# KiCad board LI_ION_charger_5Vout.kicad_pcb (continued)
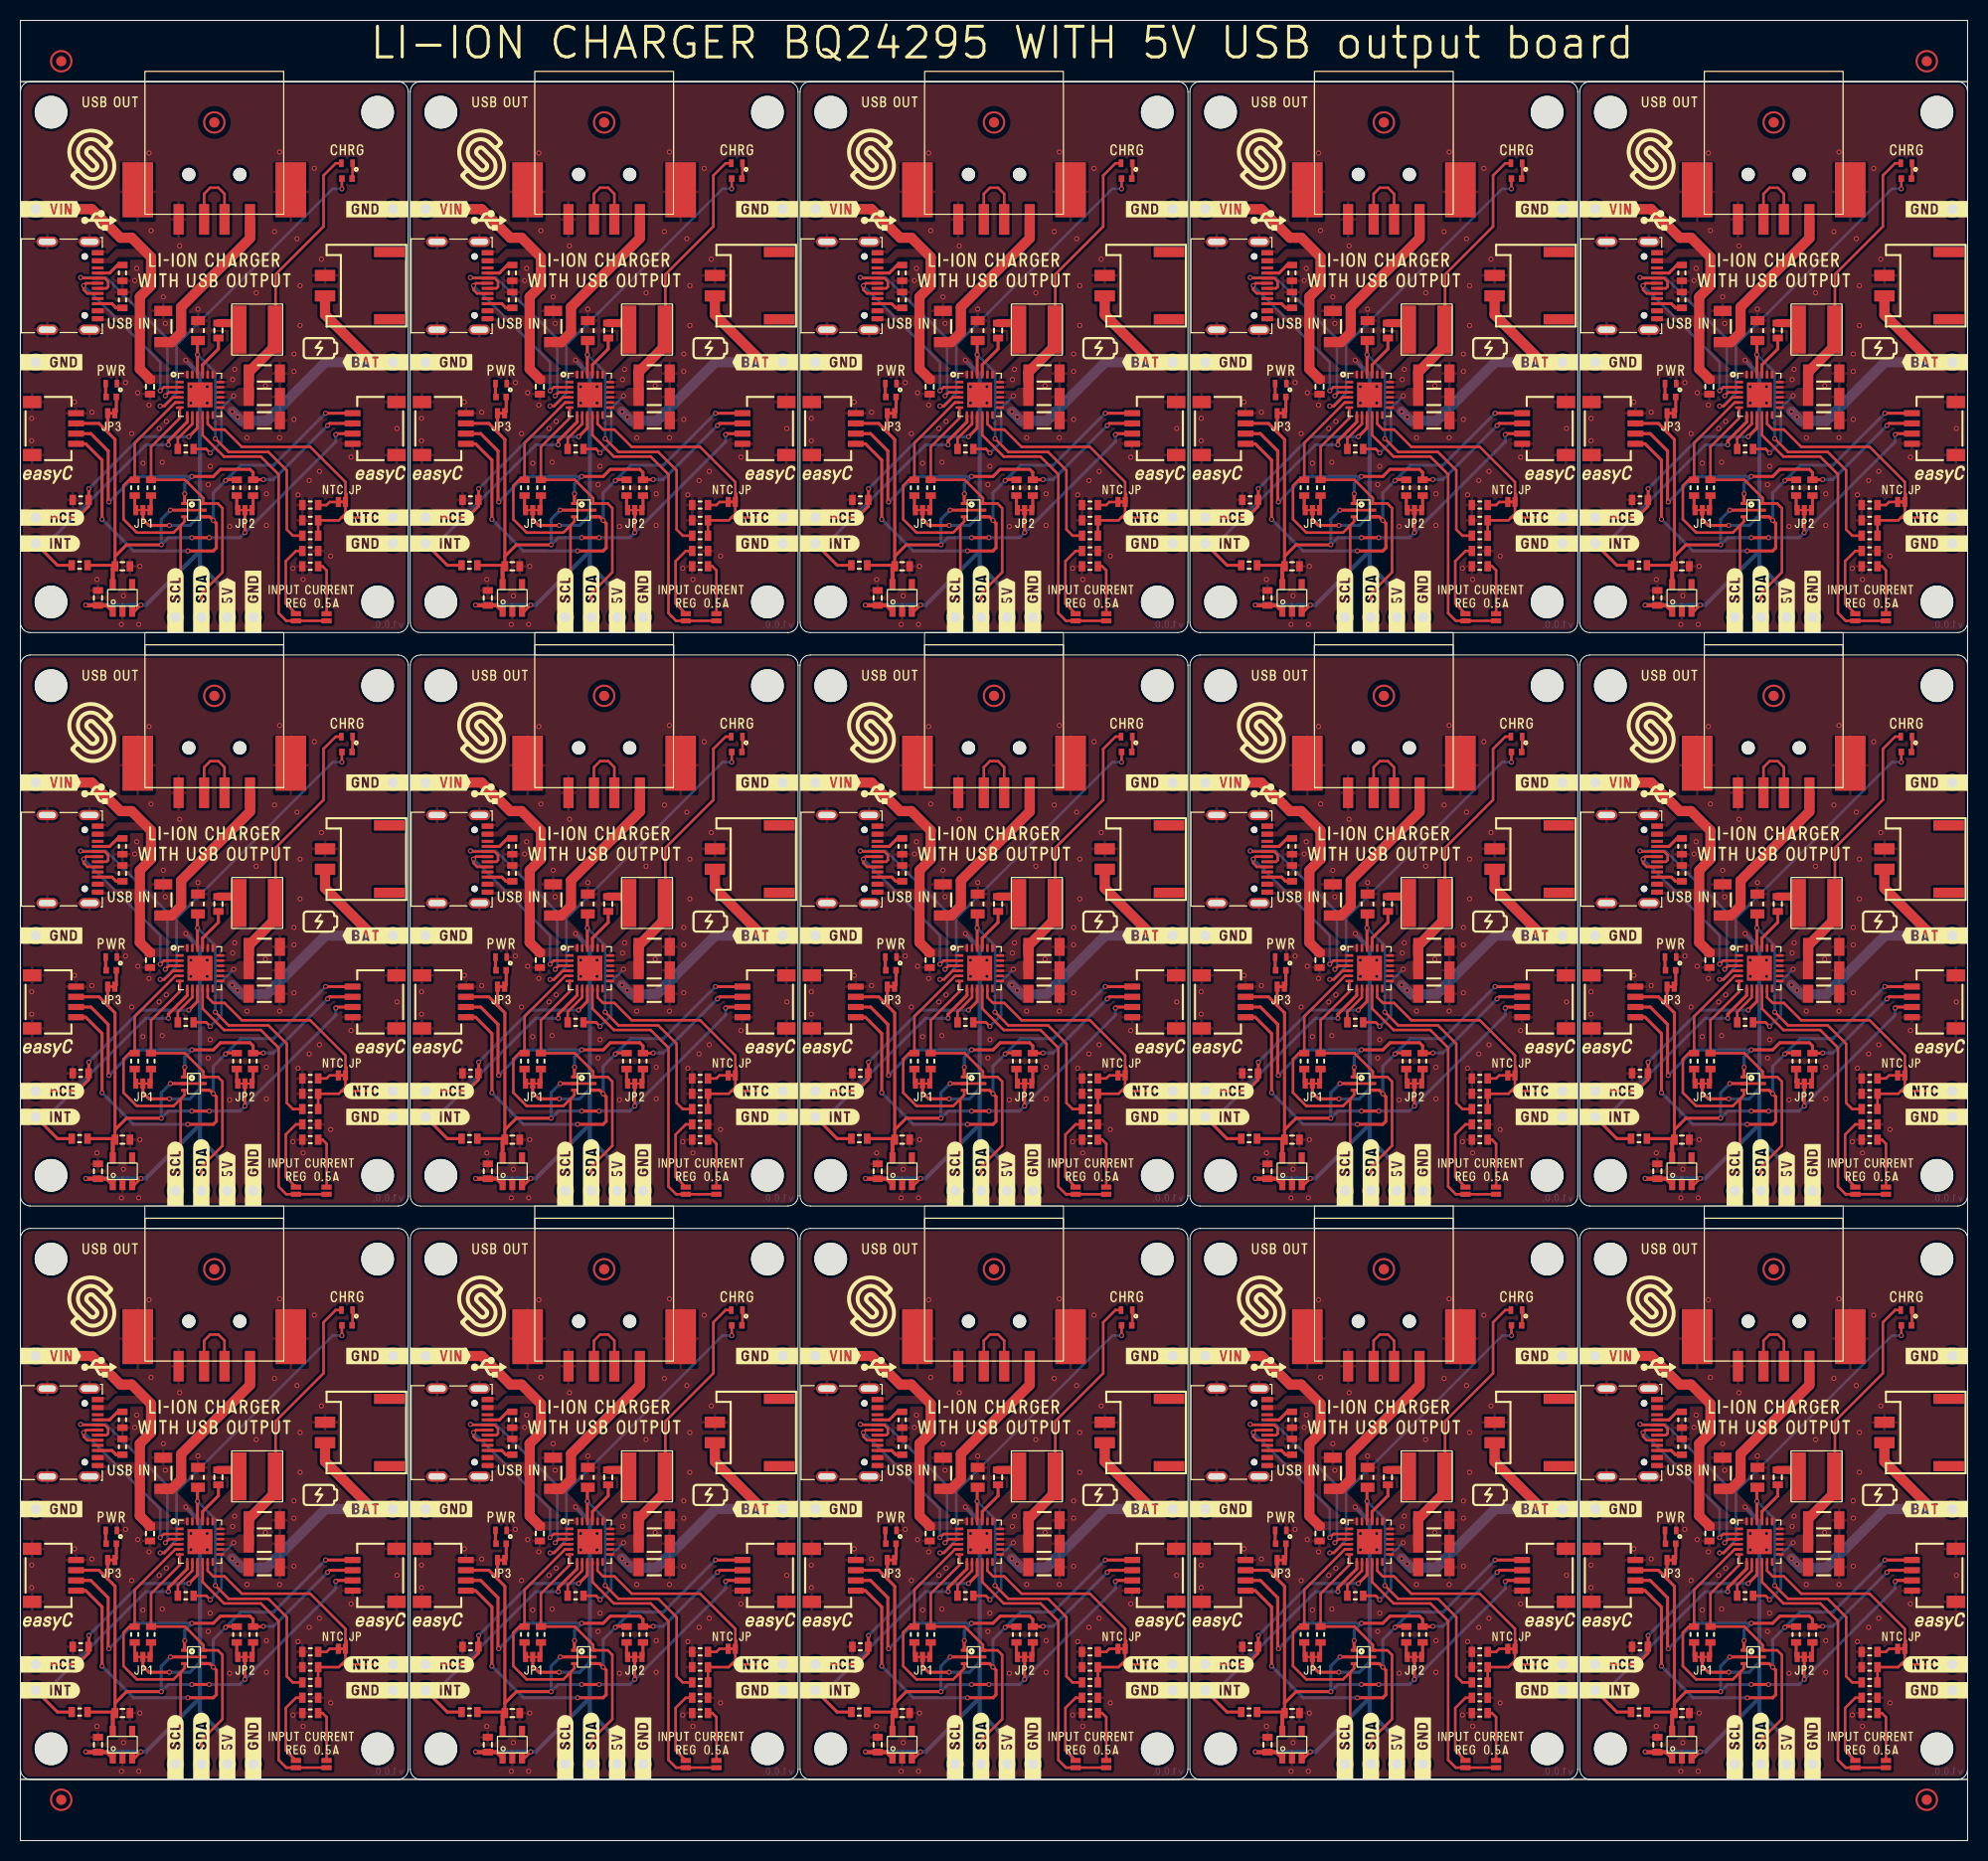
[diagram p0: board, top side]
## Placement (name value [footprint] x y rotation side) (continued)
NOREF#330  -  [buzzardLabel]  143.1 122.6 0 top
NOREF#331  -  [buzzardLabel]  104.9 10.2 0 top
NOREF#332  -  [buzzardLabel]  114.8 159.9 0 top
NOREF#333  -  [buzzardLabel]  76.6 129.67 0 top
NOREF#334  -  [buzzardLabel]  -0.4 47.5 0 top
NOREF#335  -  [buzzardLabel]  76 88.7 0 top
NOREF#336  -  [buzzardLabel]  146.1 132.4 0 top
NOREF#337  -  [buzzardLabel]  146.6 53.3 0 top
NOREF#338  -  [buzzardLabel]  161.7 82.4 0 top
NOREF#339  -  [buzzardLabel]  38.4 103.7 0 top
NOREF#340  -  [buzzardLabel]  76.6 103.7 0 top
NOREF#341  -  [buzzardLabel]  114.2 159.9 0 top
NOREF#342  -  [buzzardLabel]  57.2 42.5 0 top
NOREF#343  -  [buzzardLabel]  191.2 17.27 0 top
NOREF#344  -  [buzzardLabel]  123.5 82.4 0 top
NOREF#345  -  [buzzardLabel]  57.2 98.7 0 top
NOREF#346  -  [buzzardLabel]  153 14.73 0 top
NOREF#347  -  [buzzardLabel]  161.7 138.6 0 top
NOREF#348  -  [buzzardLabel]  38.4 70.93 0 top
NOREF#349  -  [buzzardLabel]  76 17.27 0 top
NOREF#350  -  [buzzardLabel]  37.8 73.47 0 top
NOREF#351  -  [buzzardLabel]  -0.4 127.13 0 top
NOREF#352  -  [buzzardLabel]  76 103.7 0 top
NOREF#353  -  [buzzardLabel]  191.2 159.9 0 top
NOREF#354  -  [buzzardLabel]  170.53 5.6 90 top
NOREF#355  -  [buzzardLabel]  134.87 5.6 90 top
NOREF#356  -  [buzzardLabel]  132.33 118 90 top
NOREF#357  -  [buzzardLabel]  15.19 61.8 90 top
NOREF#358  -  [buzzardLabel]  146.1 76.2 0 top
NOREF#359  -  [buzzardLabel]  76.6 88.7 0 top
NOREF#360  -  [buzzardLabel]  50.2 16.7 0 top
NOREF#361  -  [buzzardLabel]  125.2 148.7 0 top
NOREF#362  -  [buzzardLabel]  19 42.5 0 top
NOREF#363  -  [buzzardLabel]  181.3 10.2 0 top
NOREF#364  -  [buzzardLabel]  191.2 73.47 0 top
NOREF#365  -  [buzzardLabel]  126.6 129.1 0 top
NOREF#366  -  [buzzardLabel]  87 36.3 0 top
NOREF#367  -  [buzzardLabel]  191.2 129.67 0 top
NOREF#368  -  [buzzardLabel]  161.7 31.7 0 top
NOREF#369  -  [buzzardLabel]  37.8 103.7 0 top
NOREF#370  -  [buzzardLabel]  114.8 14.73 0 top
NOREF#371  -  [buzzardLabel]  22 72.9 0 top
NOREF#372  -  [buzzardLabel]  8.8 170.4 0 top
NOREF#373  -  [buzzardLabel]  53.39 118 90 top
NOREF#374  -  [buzzardLabel]  66.7 10.2 0 top
NOREF#375  -  [buzzardLabel]  152.4 127.13 0 top
NOREF#376  -  [buzzardLabel]  169.2 11.5 180 bottom
NOREF#377  -  [buzzardLabel]  131 123.9 180 bottom
NOREF#378  -  [buzzardLabel]  92.8 123.9 180 bottom
NOREF#379  -  [buzzardLabel]  54.6 11.5 180 bottom
NOREF#380  -  [buzzardLabel]  131 67.7 180 bottom
NOREF#381  -  [buzzardLabel]  54.6 67.7 180 bottom
NOREF#382  -  [buzzardLabel]  54.6 123.9 180 bottom
NOREF#383  -  [buzzardLabel]  16.4 67.7 180 bottom
NOREF#384  -  [buzzardLabel]  169.2 123.9 180 bottom
NOREF#385  -  [buzzardLabel]  16.4 123.9 180 bottom
NOREF#386  -  [buzzardLabel]  16.4 11.5 180 bottom
NOREF#387  -  [buzzardLabel]  169.2 67.7 180 bottom
NOREF#388  -  [buzzardLabel]  92.8 67.7 180 bottom
NOREF#389  -  [buzzardLabel]  131 11.5 180 bottom
NOREF#390  -  [buzzardLabel]  92.8 11.5 180 bottom
R1  5.1k  [0603R]  104.8 71.7 0 top
R1#2  5.1k  [0603R]  104.8 15.5 0 top
R1#3  5.1k  [0603R]  28.4 71.7 0 top
R1#4  5.1k  [0603R]  66.6 15.5 0 top
R1#5  5.1k  [0603R]  104.8 127.9 0 top
R1#6  5.1k  [0603R]  66.6 71.7 0 top
R1#7  5.1k  [0603R]  181.2 71.7 0 top
R1#8  5.1k  [0603R]  143 127.9 0 top
R1#9  5.1k  [0603R]  181.2 127.9 0 top
R1#10  5.1k  [0603R]  66.6 127.9 0 top
R1#11  5.1k  [0603R]  143 71.7 0 top
R1#12  5.1k  [0603R]  28.4 15.5 0 top
R1#13  5.1k  [0603R]  181.2 15.5 0 top
R1#14  5.1k  [0603R]  143 15.5 0 top
R1#15  5.1k  [0603R]  28.4 127.9 0 top
R2  10k  [0603R]  22.8 132.6 90 top
R2#2  10k  [0603R]  99.2 20.2 90 top
R2#3  10k  [0603R]  22.8 76.4 90 top
R2#4  10k  [0603R]  137.4 76.4 90 top
R2#5  10k  [0603R]  175.6 20.2 90 top
R2#6  10k  [0603R]  137.4 20.2 90 top
R2#7  10k  [0603R]  99.2 76.4 90 top
R2#8  10k  [0603R]  61 20.2 90 top
R2#9  10k  [0603R]  61 132.6 90 top
R2#10  10k  [0603R]  137.4 132.6 90 top
R2#11  10k  [0603R]  99.2 132.6 90 top
R2#12  10k  [0603R]  175.6 132.6 90 top
R2#13  10k  [0603R]  175.6 76.4 90 top
R2#14  10k  [0603R]  22.8 20.2 90 top
R2#15  10k  [0603R]  61 76.4 90 top
R3  10k  [0603R]  125.8 132.6 90 top
R3#2  10k  [0603R]  87.6 76.4 90 top
R3#3  10k  [0603R]  11.2 20.2 90 top
R3#4  10k  [0603R]  49.4 132.6 90 top
R3#5  10k  [0603R]  125.8 20.2 90 top
R3#6  10k  [0603R]  11.2 76.4 90 top
R3#7  10k  [0603R]  11.2 132.6 90 top
R3#8  10k  [0603R]  49.4 20.2 90 top
R3#9  10k  [0603R]  164 132.6 90 top
R3#10  10k  [0603R]  87.6 20.2 90 top
R3#11  10k  [0603R]  164 76.4 90 top
R3#12  10k  [0603R]  49.4 76.4 90 top
R3#13  10k  [0603R]  87.6 132.6 90 top
R3#14  10k  [0603R]  164 20.2 90 top
R3#15  10k  [0603R]  125.8 76.4 90 top
R4  33k  [0603R]  181.2 17 180 top
R4#2  33k  [0603R]  66.6 17 180 top
R4#3  33k  [0603R]  28.4 129.4 180 top
R4#4  33k  [0603R]  66.6 129.4 180 top
R4#5  33k  [0603R]  143 129.4 180 top
R4#6  33k  [0603R]  143 17 180 top
R4#7  33k  [0603R]  104.8 73.2 180 top
R4#8  33k  [0603R]  143 73.2 180 top
R4#9  33k  [0603R]  181.2 129.4 180 top
R4#10  33k  [0603R]  181.2 73.2 180 top
R4#11  33k  [0603R]  28.4 73.2 180 top
R4#12  33k  [0603R]  66.6 73.2 180 top
R4#13  33k  [0603R]  104.8 129.4 180 top
R4#14  33k  [0603R]  28.4 17 180 top
R4#15  33k  [0603R]  104.8 17 180 top
R5  10k  [0603R]  104.8 18.5 180 top
R5#2  10k  [0603R]  143 130.9 180 top
R5#3  10k  [0603R]  66.6 18.5 180 top
R5#4  10k  [0603R]  181.2 74.7 180 top
R5#5  10k  [0603R]  104.8 74.7 180 top
R5#6  10k  [0603R]  66.6 74.7 180 top
R5#7  10k  [0603R]  66.6 130.9 180 top
R5#8  10k  [0603R]  181.2 18.5 180 top
R5#9  10k  [0603R]  28.4 130.9 180 top
R5#10  10k  [0603R]  28.4 18.5 180 top
R5#11  10k  [0603R]  104.8 130.9 180 top
R5#12  10k  [0603R]  143 74.7 180 top
R5#13  10k  [0603R]  28.4 74.7 180 top
R5#14  10k  [0603R]  143 18.5 180 top
R5#15  10k  [0603R]  181.2 130.9 180 top
R6  10k  [0603R]  89.2 20.2 270 top
R6#2  10k  [0603R]  127.4 132.6 270 top
R6#3  10k  [0603R]  127.4 76.4 270 top
R6#4  10k  [0603R]  51 132.6 270 top
R6#5  10k  [0603R]  12.8 20.2 270 top
R6#6  10k  [0603R]  51 76.4 270 top
R6#7  10k  [0603R]  89.2 76.4 270 top
R6#8  10k  [0603R]  12.8 76.4 270 top
R6#9  10k  [0603R]  51 20.2 270 top
R6#10  10k  [0603R]  89.2 132.6 270 top
R6#11  10k  [0603R]  165.6 20.2 270 top
R6#12  10k  [0603R]  12.8 132.6 270 top
R6#13  10k  [0603R]  165.6 132.6 270 top
R6#14  10k  [0603R]  127.4 20.2 270 top
R6#15  10k  [0603R]  165.6 76.4 270 top
R7  10k  [0603R]  174 132.6 270 top
R7#2  10k  [0603R]  21.2 132.6 270 top
R7#3  10k  [0603R]  59.4 76.4 270 top
R7#4  10k  [0603R]  135.8 20.2 270 top
R7#5  10k  [0603R]  97.6 132.6 270 top
R7#6  10k  [0603R]  59.4 132.6 270 top
R7#7  10k  [0603R]  21.2 76.4 270 top
R7#8  10k  [0603R]  97.6 76.4 270 top
R7#9  10k  [0603R]  59.4 20.2 270 top
R7#10  10k  [0603R]  174 76.4 270 top
R7#11  10k  [0603R]  97.6 20.2 270 top
R7#12  10k  [0603R]  135.8 132.6 270 top
R7#13  10k  [0603R]  174 20.2 270 top
R7#14  10k  [0603R]  21.2 20.2 270 top
R7#15  10k  [0603R]  135.8 76.4 270 top
R8  10k  [0603R]  5.9 131.4 180 top
R8#2  10k  [0603R]  120.5 19 180 top
R8#3  10k  [0603R]  158.7 75.2 180 top
R8#4  10k  [0603R]  120.5 131.4 180 top
R8#5  10k  [0603R]  44.1 19 180 top
R8#6  10k  [0603R]  82.3 19 180 top
R8#7  10k  [0603R]  82.3 75.2 180 top
R8#8  10k  [0603R]  82.3 131.4 180 top
R8#9  10k  [0603R]  5.9 19 180 top
R8#10  10k  [0603R]  120.5 75.2 180 top
R8#11  10k  [0603R]  44.1 75.2 180 top
R8#12  10k  [0603R]  158.7 131.4 180 top
R8#13  10k  [0603R]  158.7 19 180 top
R8#14  10k  [0603R]  44.1 131.4 180 top
R8#15  10k  [0603R]  5.9 75.2 180 top
R9  10k  [0603R]  82.2 68.8 180 top
R9#2  10k  [0603R]  120.4 12.6 180 top
R9#3  10k  [0603R]  5.8 68.8 180 top
R9#4  10k  [0603R]  44 68.8 180 top
R9#5  10k  [0603R]  158.6 68.8 180 top
R9#6  10k  [0603R]  82.2 125 180 top
R9#7  10k  [0603R]  5.8 12.6 180 top
R9#8  10k  [0603R]  158.6 125 180 top
R9#9  10k  [0603R]  120.4 68.8 180 top
R9#10  10k  [0603R]  44 12.6 180 top
R9#11  10k  [0603R]  44 125 180 top
R9#12  10k  [0603R]  120.4 125 180 top
R9#13  10k  [0603R]  5.8 125 180 top
R9#14  10k  [0603R]  82.2 12.6 180 top
R9#15  10k  [0603R]  158.6 12.6 180 top
R10  10k  [0603R]  54.4 136.4 180 top
R10#2  10k  [0603R]  54.4 80.2 180 top
R10#3  10k  [0603R]  92.6 136.4 180 top
R10#4  10k  [0603R]  130.8 136.4 180 top
R10#5  10k  [0603R]  16.2 80.2 180 top
R10#6  10k  [0603R]  169 80.2 180 top
R10#7  10k  [0603R]  16.2 24 180 top
R10#8  10k  [0603R]  16.2 136.4 180 top
R10#9  10k  [0603R]  92.6 80.2 180 top
R10#10  10k  [0603R]  54.4 24 180 top
R10#11  10k  [0603R]  92.6 24 180 top
R10#12  10k  [0603R]  130.8 24 180 top
R10#13  10k  [0603R]  130.8 80.2 180 top
R10#14  10k  [0603R]  169 136.4 180 top
R10#15  10k  [0603R]  169 24 180 top
R11  2k2  [0402R]  146.6 162.9 180 top
R11#2  2k2  [0402R]  108.4 50.5 180 top
R11#3  2k2  [0402R]  32 106.7 180 top
R11#4  2k2  [0402R]  32 50.5 180 top
R11#5  2k2  [0402R]  70.2 106.7 180 top
R11#6  2k2  [0402R]  184.8 162.9 180 top
R11#7  2k2  [0402R]  32 162.9 180 top
R11#8  2k2  [0402R]  146.6 106.7 180 top
R11#9  2k2  [0402R]  108.4 162.9 180 top
R11#10  2k2  [0402R]  184.8 106.7 180 top
R11#11  2k2  [0402R]  108.4 106.7 180 top
R11#12  2k2  [0402R]  146.6 50.5 180 top
R11#13  2k2  [0402R]  70.2 50.5 180 top
R11#14  2k2  [0402R]  70.2 162.9 180 top
R11#15  2k2  [0402R]  184.8 50.5 180 top
R12  5.1k  [0603R]  124.6 94.8 90 top
R12#2  5.1k  [0603R]  10 38.6 90 top
R12#3  5.1k  [0603R]  162.8 151 90 top
R12#4  5.1k  [0603R]  162.8 94.8 90 top
R12#5  5.1k  [0603R]  10 151 90 top
R12#6  5.1k  [0603R]  10 94.8 90 top
R12#7  5.1k  [0603R]  124.6 151 90 top
R12#8  5.1k  [0603R]  86.4 151 90 top
R12#9  5.1k  [0603R]  162.8 38.6 90 top
R12#10  5.1k  [0603R]  48.2 94.8 90 top
R12#11  5.1k  [0603R]  86.4 94.8 90 top
R12#12  5.1k  [0603R]  48.2 38.6 90 top
R12#13  5.1k  [0603R]  48.2 151 90 top
R12#14  5.1k  [0603R]  86.4 38.6 90 top
R12#15  5.1k  [0603R]  124.6 38.6 90 top
R13  150R  [0603R]  181.2 14 0 top
R13#2  150R  [0603R]  181.2 126.4 0 top
R13#3  150R  [0603R]  104.8 14 0 top
R13#4  150R  [0603R]  28.4 70.2 0 top
R13#5  150R  [0603R]  143 70.2 0 top
R13#6  150R  [0603R]  181.2 70.2 0 top
R13#7  150R  [0603R]  143 14 0 top
R13#8  150R  [0603R]  66.6 14 0 top
R13#9  150R  [0603R]  104.8 70.2 0 top
R13#10  150R  [0603R]  66.6 126.4 0 top
R13#11  150R  [0603R]  66.6 70.2 0 top
R13#12  150R  [0603R]  28.4 14 0 top
R13#13  150R  [0603R]  143 126.4 0 top
R13#14  150R  [0603R]  104.8 126.4 0 top
R13#15  150R  [0603R]  28.4 126.4 0 top
R14  5.1k  [0603R]  10 41.25 270 top
R14#2  5.1k  [0603R]  86.4 41.25 270 top
R14#3  5.1k  [0603R]  124.6 153.65 270 top
R14#4  5.1k  [0603R]  10 153.65 270 top
R14#5  5.1k  [0603R]  162.8 97.45 270 top
R14#6  5.1k  [0603R]  124.6 97.45 270 top
R14#7  5.1k  [0603R]  48.2 41.25 270 top
R14#8  5.1k  [0603R]  48.2 153.65 270 top
R14#9  5.1k  [0603R]  48.2 97.45 270 top
R14#10  5.1k  [0603R]  86.4 97.45 270 top
R14#11  5.1k  [0603R]  10 97.45 270 top
R14#12  5.1k  [0603R]  162.8 41.25 270 top
R14#13  5.1k  [0603R]  86.4 153.65 270 top
R14#14  5.1k  [0603R]  162.8 153.65 270 top
R14#15  5.1k  [0603R]  124.6 41.25 270 top
R15  1k  [0603R]  28.4 124.9 180 top
R15#2  1k  [0603R]  28.4 12.5 180 top
R15#3  1k  [0603R]  181.2 124.9 180 top
R15#4  1k  [0603R]  181.2 12.5 180 top
R15#5  1k  [0603R]  104.8 124.9 180 top
R15#6  1k  [0603R]  143 12.5 180 top
R15#7  1k  [0603R]  143 124.9 180 top
R15#8  1k  [0603R]  104.8 12.5 180 top
R15#9  1k  [0603R]  28.4 68.7 180 top
R15#10  1k  [0603R]  104.8 68.7 180 top
R15#11  1k  [0603R]  66.6 12.5 180 top
R15#12  1k  [0603R]  66.6 124.9 180 top
R15#13  1k  [0603R]  143 68.7 180 top
R15#14  1k  [0603R]  181.2 68.7 180 top
R15#15  1k  [0603R]  66.6 68.7 180 top
R16  2k2  [0402R]  47.1 141.5 180 top
R16#2  2k2  [0402R]  123.5 85.3 180 top
R16#3  2k2  [0402R]  123.5 29.1 180 top
R16#4  2k2  [0402R]  85.3 29.1 180 top
R16#5  2k2  [0402R]  47.1 85.3 180 top
R16#6  2k2  [0402R]  85.3 85.3 180 top
R16#7  2k2  [0402R]  47.1 29.1 180 top
R16#8  2k2  [0402R]  123.5 141.5 180 top
R16#9  2k2  [0402R]  161.7 85.3 180 top
R16#10  2k2  [0402R]  8.9 141.5 180 top
R16#11  2k2  [0402R]  8.9 85.3 180 top
R16#12  2k2  [0402R]  161.7 29.1 180 top
R16#13  2k2  [0402R]  8.9 29.1 180 top
R16#14  2k2  [0402R]  85.3 141.5 180 top
R16#15  2k2  [0402R]  161.7 141.5 180 top
REF**  Logo-Front-SolderedFULL-20mm  [Logo-Back-SolderedFULL-20mm]  133.6 168.4 0 top
Ref**  Val**  [Version1.0.0.]  74.2 6.8 180 bottom
REF**#2  Logo-Front-SolderedFULL-20mm  [Logo-Back-SolderedFULL-20mm]  19 168.4 0 top
Ref**#2  Val**  [Version1.0.0.]  188.8 6.8 180 bottom
REF**#3  Logo-Front-SolderedFULL-20mm  [Logo-Back-SolderedFULL-20mm]  19 112.2 0 top
Ref**#3  Val**  [Version1.0.0.]  112.4 119.2 180 bottom
REF**#4  Logo-Front-SolderedFULL-20mm  [Logo-Back-SolderedFULL-20mm]  57.2 168.4 0 top
Ref**#4  Val**  [Version1.0.0.]  74.2 119.2 180 bottom
REF**#5  Logo-Front-SolderedFULL-20mm  [Logo-Back-SolderedFULL-20mm]  95.4 112.2 0 top
Ref**#5  Val**  [Version1.0.0.]  150.6 119.2 180 bottom
REF**#6  Logo-Front-SolderedFULL-20mm  [Logo-Back-SolderedFULL-20mm]  57.2 56 0 top
Ref**#6  Val**  [Version1.0.0.]  112.4 6.8 180 bottom
REF**#7  Logo-Front-SolderedFULL-20mm  [Logo-Back-SolderedFULL-20mm]  171.8 112.2 0 top
Ref**#7  Val**  [Version1.0.0.]  188.8 63 180 bottom
REF**#8  Logo-Front-SolderedFULL-20mm  [Logo-Back-SolderedFULL-20mm]  171.8 56 0 top
Ref**#8  Val**  [Version1.0.0.]  150.6 63 180 bottom
REF**#9  Logo-Front-SolderedFULL-20mm  [Logo-Back-SolderedFULL-20mm]  19 56 0 top
Ref**#9  Val**  [Version1.0.0.]  36 63 180 bottom
REF**#10  Logo-Front-SolderedFULL-20mm  [Logo-Back-SolderedFULL-20mm]  95.4 56 0 top
Ref**#10  Val**  [Version1.0.0.]  36 6.8 180 bottom
REF**#11  Logo-Front-SolderedFULL-20mm  [Logo-Back-SolderedFULL-20mm]  133.6 56 0 top
Ref**#11  Val**  [Version1.0.0.]  188.8 119.2 180 bottom
REF**#12  Logo-Front-SolderedFULL-20mm  [Logo-Back-SolderedFULL-20mm]  171.8 168.4 0 top
Ref**#12  Val**  [Version1.0.0.]  112.4 63 180 bottom
REF**#13  Logo-Front-SolderedFULL-20mm  [Logo-Back-SolderedFULL-20mm]  57.2 112.2 0 top
Ref**#13  Val**  [Version1.0.0.]  36 119.2 180 bottom
REF**#14  Logo-Front-SolderedFULL-20mm  [Logo-Back-SolderedFULL-20mm]  95.4 168.4 0 top
Ref**#14  Val**  [Version1.0.0.]  74.2 63 180 bottom
REF**#15  Logo-Front-SolderedFULL-20mm  [Logo-Back-SolderedFULL-20mm]  133.6 112.2 0 top
Ref**#15  Val**  [Version1.0.0.]  150.6 6.8 180 bottom
REF**#16  -  [Symbol-Front-I2C-ADDR-Field]  95.4 11.5 180 bottom
REF**#17  -  [Symbol-Front-I2C-ADDR-Field]  19 67.7 180 bottom
REF**#18  -  [Symbol-Front-I2C-ADDR-Field]  133.6 123.9 180 bottom
REF**#19  -  [Symbol-Front-I2C-ADDR-Field]  95.4 67.7 180 bottom
REF**#20  -  [Symbol-Front-I2C-ADDR-Field]  57.2 123.9 180 bottom
REF**#21  -  [Symbol-Front-I2C-ADDR-Field]  171.8 123.9 180 bottom
REF**#22  -  [Symbol-Front-I2C-ADDR-Field]  19 123.9 180 bottom
REF**#23  -  [Symbol-Front-I2C-ADDR-Field]  95.4 123.9 180 bottom
REF**#24  -  [Symbol-Front-I2C-ADDR-Field]  171.8 67.7 180 bottom
REF**#25  -  [Symbol-Front-I2C-ADDR-Field]  57.2 67.7 180 bottom
REF**#26  -  [Symbol-Front-I2C-ADDR-Field]  57.2 11.5 180 bottom
REF**#27  -  [Symbol-Front-I2C-ADDR-Field]  19 11.5 180 bottom
REF**#28  -  [Symbol-Front-I2C-ADDR-Field]  133.6 67.7 180 bottom
REF**#29  -  [Symbol-Front-I2C-ADDR-Field]  171.8 11.5 180 bottom
REF**#30  -  [Symbol-Front-I2C-ADDR-Field]  133.6 11.5 180 bottom
U1  NMOS-DUAL  [SOT-363]  93.4 74.2 0 top
U1#2  NMOS-DUAL  [SOT-363]  17 18 0 top
U1#3  NMOS-DUAL  [SOT-363]  169.8 74.2 0 top
U1#4  NMOS-DUAL  [SOT-363]  131.6 18 0 top
U1#5  NMOS-DUAL  [SOT-363]  131.6 130.4 0 top
U1#6  NMOS-DUAL  [SOT-363]  93.4 130.4 0 top
U1#7  NMOS-DUAL  [SOT-363]  17 74.2 0 top
U1#8  NMOS-DUAL  [SOT-363]  17 130.4 0 top
U1#9  NMOS-DUAL  [SOT-363]  169.8 130.4 0 top
U1#10  NMOS-DUAL  [SOT-363]  55.2 130.4 0 top
U1#11  NMOS-DUAL  [SOT-363]  131.6 74.2 0 top
U1#12  NMOS-DUAL  [SOT-363]  55.2 74.2 0 top
U1#13  NMOS-DUAL  [SOT-363]  169.8 18 0 top
U1#14  NMOS-DUAL  [SOT-363]  93.4 18 0 top
U1#15  NMOS-DUAL  [SOT-363]  55.2 18 0 top
U2  BQ24295_RGET  [BQ24295RGET]  170.4 141.7 0 top
U2#2  BQ24295_RGET  [BQ24295RGET]  17.6 29.3 0 top
U2#3  BQ24295_RGET  [BQ24295RGET]  55.8 85.5 0 top
U2#4  BQ24295_RGET  [BQ24295RGET]  132.2 141.7 0 top
U2#5  BQ24295_RGET  [BQ24295RGET]  17.6 141.7 0 top
U2#6  BQ24295_RGET  [BQ24295RGET]  94 29.3 0 top
U2#7  BQ24295_RGET  [BQ24295RGET]  94 141.7 0 top
U2#8  BQ24295_RGET  [BQ24295RGET]  94 85.5 0 top
U2#9  BQ24295_RGET  [BQ24295RGET]  170.4 85.5 0 top
U2#10  BQ24295_RGET  [BQ24295RGET]  55.8 29.3 0 top
U2#11  BQ24295_RGET  [BQ24295RGET]  170.4 29.3 0 top
U2#12  BQ24295_RGET  [BQ24295RGET]  132.2 85.5 0 top
U2#13  BQ24295_RGET  [BQ24295RGET]  132.2 29.3 0 top
U2#14  BQ24295_RGET  [BQ24295RGET]  55.8 141.7 0 top
U2#15  BQ24295_RGET  [BQ24295RGET]  17.6 85.5 0 top
U3  SE5218  [SOT-23-5]  10 121.8 90 top
U3#2  SE5218  [SOT-23-5]  48.2 121.8 90 top
U3#3  SE5218  [SOT-23-5]  124.6 65.6 90 top
U3#4  SE5218  [SOT-23-5]  124.6 121.8 90 top
U3#5  SE5218  [SOT-23-5]  162.8 9.4 90 top
U3#6  SE5218  [SOT-23-5]  162.8 65.6 90 top
U3#7  SE5218  [SOT-23-5]  10 9.4 90 top
U3#8  SE5218  [SOT-23-5]  86.4 121.8 90 top
U3#9  SE5218  [SOT-23-5]  86.4 9.4 90 top
U3#10  SE5218  [SOT-23-5]  48.2 65.6 90 top
U3#11  SE5218  [SOT-23-5]  162.8 121.8 90 top
U3#12  SE5218  [SOT-23-5]  124.6 9.4 90 top
U3#13  SE5218  [SOT-23-5]  86.4 65.6 90 top
U3#14  SE5218  [SOT-23-5]  10 65.6 90 top
U3#15  SE5218  [SOT-23-5]  48.2 9.4 90 top

## Library data of the parts
D1 D1#2-D1#15 D2 D2#2-D2#15 = -: Package: 0402

## Footprints (pads in the part's own frame, mm; a bottom-side part is the same pattern mirrored in y, then rotated)
0402LED
  rect 0.45x0.75 smd: 1(-0.55,0) 2(0.55,0)
0402R
  rect 0.54x0.64 smd: 1(-0.5,0) 2(0.5,0)
0603C
  rect 0.66x1 smd: 1(-0.73,0) 2(0.73,0)
0603R
  rect 0.64x1 smd: 1(-0.775,0) 2(0.775,0)
0805C
  rect 0.9x1.35 smd: 1(-0.975,0) 2(0.975,0)
1206C
  rect 1x1.75 smd: 1(-1.525,0) 2(1.525,0)
BQ24295RGET
  rrect 0.66x0.66 smd: (-0.82,0.82) (-0.82,0) (-0.82,-0.82) (0,0.82) (0,-0.82) (0.82,0.82) (0.82,0) (0.82,-0.82)
  rect 2.45x2.45 smd: (0,0)
  rrect 0.775x0.25 smd: 1(-1.988,1.25) 2(-1.988,0.75) 3(-1.988,0.25) 4(-1.988,-0.25) 5(-1.988,-0.75) 6(-1.988,-1.25) 13(1.988,-1.25) 14(1.988,-0.75) 15(1.988,-0.25) 16(1.988,0.25) 17(1.988,0.75) 18(1.988,1.25)
  rrect 0.25x0.775 smd: 7(-1.25,-1.988) 8(-0.75,-1.988) 9(-0.25,-1.988) 10(0.25,-1.988) 11(0.75,-1.988) 12(1.25,-1.988) 19(1.25,1.988) 20(0.75,1.988) 21(0.25,1.988) 22(-0.25,1.988) 23(-0.75,1.988) 24(-1.25,1.988)
easyC-connector
  rect 0.6x1.55 smd: 1(-1.5,-2.15) 2(-0.5,-2.15) 3(0.5,-2.15) 4(1.5,-2.15)
  rect 1.2x1.8 smd: 5(-2.6,2.15) 5(2.6,2.15)
FIDUCIAL_23
  round 1 smd: 1(0,0)
HEADER_MALE_1X1
  round 1.7 hole 1: 1(0,0)
HEADER_MALE_2X1
  round 1.524 hole 1: 1(-1.27,0) 2(1.27,0)
HEADER_MALE_4X1
  round 1.7 hole 1: 1(-3.81,0) 2(-1.27,0) 3(1.27,0) 4(3.81,0)
HOLE_3.2mm
  round 3.2 hole 3.2 unplated: (0,0)
JST-2pin-SMD
  rect 1x3 smd: (-3.3,3.15) (3.3,3.15)
  rect 1.1x2 smd: 1(1,-3.15) 2(-1,-3.15)
SMD-JUMPER-CONNECTED_TRACE_SLODERMASK
  rect 0.5x1 smd: 1(-0.35,0) 2(0.35,0)
SMD_JUMPER
  rect 0.5x1 smd: 1(-0.35,0) 2(0.35,0)
SMD_JUMPER_3_PAD_TRACE
  rect 0.5x1 smd: 1(-0.7,0) 3(0.7,0)
  custom 0.5x1 smd: 2(0,0)
SMD_JUMPER_CONNECTED
  rect 0.5x1 smd: 1(-0.35,0) 2(0.35,0)
SOT-23-5
  rect 1.1x0.6 smd: 1(-1.3,0.95) 2(-1.3,0) 3(-1.3,-0.95) 4(1.3,-0.95) 5(1.3,0.95)
SOT-363
  rect 0.66x0.3 smd: 1(-0.92,0.65) 2(-0.92,0) 3(-0.92,-0.65) 4(0.92,-0.65) 5(0.92,0) 6(0.92,0.65)
SRN5020TA-2R2M
  rect 1.5x4.7 smd: 1(-1.8,0) 2(1.8,0)
U262-161N-4BVC11
  round 0.65 hole 0.65 unplated: (-2.862,1.2) (2.913,1.2)
  rect 0.3x1.15 smd: A1(-3.337,2.475) A4(-2.537,2.475) A5(-1.237,2.475) A6(-0.237,2.475) A7(0.263,2.475) A8(1.263,2.475) A9(2.563,2.475) A12(3.338,2.475) B1(3.138,2.475) B4(2.363,2.475) B5(1.763,2.475) B6(0.763,2.475) B7(-0.737,2.475) B8(-1.737,2.475) B9(-2.337,2.475) B12(-3.112,2.475)
  oval 1x2.1 hole 0.6x1.7: SH(-4.312,1.675) SH(-4.312,-2.475) SH(4.313,1.675) SH(4.313,-2.475)
USB_A_FEMALE_CONECTOR
  round 1.3 hole 1.3 unplated: (-2.5,-4.4) (2.5,-4.4)
  rect 1x3 smd: 1(-3.5,0) 2(-1,0) 3(1,0) 4(3.5,0)
  rect 3x5.4 smd: 5(-7.5,-2.9) 5(7.5,-2.9)

## Nets
3V3: C9.2 C9#2.2 C9#3.2 C9#4.2 C9#5.2 C9#6.2 C9#7.2 C9#8.2 C9#9.2 C9#10.2 C9#11.2 C9#12.2 C9#13.2 C9#14.2 C9#15.2 JP3.2 JP3#2.2 JP3#3.2 JP3#4.2 JP3#5.2 JP3#6.2 JP3#7.2 JP3#8.2 JP3#9.2 JP3#10.2 JP3#11.2 JP3#12.2 JP3#13.2 JP3#14.2 JP3#15.2 JP6.1 JP6#2.1 JP6#3.1 JP6#4.1 JP6#5.1 JP6#6.1 JP6#7.1 JP6#8.1 JP6#9.1 JP6#10.1 JP6#11.1 JP6#12.1 JP6#13.1 JP6#14.1 JP6#15.1 K5.3 K5#2.3 K5#3.3 K5#4.3 K5#5.3 K5#6.3 K5#7.3 K5#8.3 K5#9.3 K5#10.3 K5#11.3 K5#12.3 K5#13.3 K5#14.3 K5#15.3 K11.3 K11#2.3 K11#3.3 K11#4.3 K11#5.3 K11#6.3 K11#7.3 K11#8.3 K11#9.3 K11#10.3 K11#11.3 K11#12.3 K11#13.3 K11#14.3 K11#15.3 R9.1 R9#2.1 R9#3.1 R9#4.1 R9#5.1 R9#6.1 R9#7.1 R9#8.1 R9#9.1 R9#10.1 R9#11.1 R9#12.1 R9#13.1 R9#14.1 R9#15.1 U1.2 U1.5 U1#2.2 U1#2.5 U1#3.2 U1#3.5 U1#4.2 U1#4.5 U1#5.2 U1#5.5 U1#6.2 U1#6.5 U1#7.2 U1#7.5 U1#8.2 U1#8.5 U1#9.2 U1#9.5 U1#10.2 U1#10.5 U1#11.2 U1#11.5 U1#12.2 U1#12.5 U1#13.2 U1#13.5 U1#14.2 U1#14.5 U1#15.2 U1#15.5 U3.5 U3#2.5 U3#3.5 U3#4.5 U3#5.5 U3#6.5 U3#7.5 U3#8.5 U3#9.5 U3#10.5 U3#11.5 U3#12.5 U3#13.5 U3#14.5 U3#15.5
GND: C1.1 C1#2.1 C1#3.1 C1#4.1 C1#5.1 C1#6.1 C1#7.1 C1#8.1 C1#9.1 C1#10.1 C1#11.1 C1#12.1 C1#13.1 C1#14.1 C1#15.1 C2.1 C2#2.1 C2#3.1 C2#4.1 C2#5.1 C2#6.1 C2#7.1 C2#8.1 C2#9.1 C2#10.1 C2#11.1 C2#12.1 C2#13.1 C2#14.1 C2#15.1 C3.1 C3#2.1 C3#3.1 C3#4.1 C3#5.1 C3#6.1 C3#7.1 C3#8.1 C3#9.1 C3#10.1 C3#11.1 C3#12.1 C3#13.1 C3#14.1 C3#15.1 C5.1 C5#2.1 C5#3.1 C5#4.1 C5#5.1 C5#6.1 C5#7.1 C5#8.1 C5#9.1 C5#10.1 C5#11.1 C5#12.1 C5#13.1 C5#14.1 C5#15.1 C6.1 C6#2.1 C6#3.1 C6#4.1 C6#5.1 C6#6.1 C6#7.1 C6#8.1 C6#9.1 C6#10.1 C6#11.1 C6#12.1 C6#13.1 C6#14.1 C6#15.1 C7.1 C7#2.1 C7#3.1 C7#4.1 C7#5.1 C7#6.1 C7#7.1 C7#8.1 C7#9.1 C7#10.1 C7#11.1 C7#12.1 C7#13.1 C7#14.1 C7#15.1 C8.1 C8#2.1 C8#3.1 C8#4.1 C8#5.1 C8#6.1 C8#7.1 C8#8.1 C8#9.1 C8#10.1 C8#11.1 C8#12.1 C8#13.1 C8#14.1 C8#15.1 C9.1 C9#2.1 C9#3.1 C9#4.1 C9#5.1 C9#6.1 C9#7.1 C9#8.1 C9#9.1 C9#10.1 C9#11.1 C9#12.1 C9#13.1 C9#14.1 C9#15.1 D2.2 D2#2.2 D2#3.2 D2#4.2 D2#5.2 D2#6.2 D2#7.2 D2#8.2 D2#9.2 D2#10.2 D2#11.2 D2#12.2 D2#13.2 D2#14.2 D2#15.2 K1.2 K1#2.2 K1#3.2 K1#4.2 K1#5.2 K1#6.2 K1#7.2 K1#8.2 K1#9.2 K1#10.2 K1#11.2 K1#12.2 K1#13.2 K1#14.2 K1#15.2 K3.1 K3#2.1 K3#3.1 K3#4.1 K3#5.1 K3#6.1 K3#7.1 K3#8.1 K3#9.1 K3#10.1 K3#11.1 K3#12.1 K3#13.1 K3#14.1 K3#15.1 K4.A1 K4.A12 K4.B1 K4.B12 K4.SH K4#2.A1 K4#2.A12 K4#2.B1 K4#2.B12 K4#2.SH K4#3.A1 K4#3.A12 K4#3.B1 K4#3.B12 K4#3.SH K4#4.A1 K4#4.A12 K4#4.B1 K4#4.B12 K4#4.SH K4#5.A1 K4#5.A12 K4#5.B1 K4#5.B12 K4#5.SH K4#6.A1 K4#6.A12 K4#6.B1 K4#6.B12 K4#6.SH K4#7.A1 K4#7.A12 K4#7.B1 K4#7.B12 K4#7.SH K4#8.A1 K4#8.A12 K4#8.B1 K4#8.B12 K4#8.SH K4#9.A1 K4#9.A12 K4#9.B1 K4#9.B12 K4#9.SH K4#10.A1 K4#10.A12 K4#10.B1 K4#10.B12 K4#10.SH K4#11.A1 K4#11.A12 K4#11.B1 K4#11.B12 K4#11.SH K4#12.A1 K4#12.A12 K4#12.B1 K4#12.B12 K4#12.SH K4#13.A1 K4#13.A12 K4#13.B1 K4#13.B12 K4#13.SH K4#14.A1 K4#14.A12 K4#14.B1 K4#14.B12 K4#14.SH K4#15.A1 K4#15.A12 K4#15.B1 K4#15.B12 K4#15.SH K5.4 K5.5 K5#2.4 K5#2.5 K5#3.4 K5#3.5 K5#4.4 K5#4.5 K5#5.4 K5#5.5 K5#6.4 K5#6.5 K5#7.4 K5#7.5 K5#8.4 K5#8.5 K5#9.4 K5#9.5 K5#10.4 K5#10.5 K5#11.4 K5#11.5 K5#12.4 K5#12.5 K5#13.4 K5#13.5 K5#14.4 K5#14.5 K5#15.4 K5#15.5 K6.1 K6#2.1 K6#3.1 K6#4.1 K6#5.1 K6#6.1 K6#7.1 K6#8.1 K6#9.1 K6#10.1 K6#11.1 K6#12.1 K6#13.1 K6#14.1 K6#15.1 K7.2 K7#2.2 K7#3.2 K7#4.2 K7#5.2 K7#6.2 K7#7.2 K7#8.2 K7#9.2 K7#10.2 K7#11.2 K7#12.2 K7#13.2 K7#14.2 K7#15.2 K9.1 K9#2.1 K9#3.1 K9#4.1 K9#5.1 K9#6.1 K9#7.1 K9#8.1 K9#9.1 K9#10.1 K9#11.1 K9#12.1 K9#13.1 K9#14.1 K9#15.1 K11.4 K11.5 K11#2.4 K11#2.5 K11#3.4 K11#3.5 K11#4.4 K11#4.5 K11#5.4 K11#5.5 K11#6.4 K11#6.5 K11#7.4 K11#7.5 K11#8.4 K11#8.5 K11#9.4 K11#9.5 K11#10.4 K11#10.5 K11#11.4 K11#11.5 K11#12.4 K11#12.5 K11#13.4 K11#13.5 K11#14.4 K11#14.5 K11#15.4 K11#15.5 K12.4 K12.5 K12#2.4 K12#2.5 K12#3.4 K12#3.5 K12#4.4 K12#4.5 K12#5.4 K12#5.5 K12#6.4 K12#6.5 K12#7.4 K12#7.5 K12#8.4 K12#8.5 K12#9.4 K12#9.5 K12#10.4 K12#10.5 K12#11.4 K12#11.5 K12#12.4 K12#12.5 K12#13.4 K12#13.5 K12#14.4 K12#14.5 K12#15.4 K12#15.5 R4.2 R4#2.2 R4#3.2 R4#4.2 R4#5.2 R4#6.2 R4#7.2 R4#8.2 R4#9.2 R4#10.2 R4#11.2 R4#12.2 R4#13.2 R4#14.2 R4#15.2 R5.2 R5#2.2 R5#3.2 R5#4.2 R5#5.2 R5#6.2 R5#7.2 R5#8.2 R5#9.2 R5#10.2 R5#11.2 R5#12.2 R5#13.2 R5#14.2 R5#15.2 R8.2 R8#2.2 R8#3.2 R8#4.2 R8#5.2 R8#6.2 R8#7.2 R8#8.2 R8#9.2 R8#10.2 R8#11.2 R8#12.2 R8#13.2 R8#14.2 R8#15.2 R12.2 R12#2.2 R12#3.2 R12#4.2 R12#5.2 R12#6.2 R12#7.2 R12#8.2 R12#9.2 R12#10.2 R12#11.2 R12#12.2 R12#13.2 R12#14.2 R12#15.2 R13.2 R13#2.2 R13#3.2 R13#4.2 R13#5.2 R13#6.2 R13#7.2 R13#8.2 R13#9.2 R13#10.2 R13#11.2 R13#12.2 R13#13.2 R13#14.2 R13#15.2 R14.2 R14#2.2 R14#3.2 R14#4.2 R14#5.2 R14#6.2 R14#7.2 R14#8.2 R14#9.2 R14#10.2 R14#11.2 R14#12.2 R14#13.2 R14#14.2 R14#15.2 R15.2 R15#2.2 R15#3.2 R15#4.2 R15#5.2 R15#6.2 R15#7.2 R15#8.2 R15#9.2 R15#10.2 R15#11.2 R15#12.2 R15#13.2 R15#14.2 R15#15.2 U2.17 U2.18 U2#2.17 U2#2.18 U2#3.17 U2#3.18 U2#4.17 U2#4.18 U2#5.17 U2#5.18 U2#6.17 U2#6.18 U2#7.17 U2#7.18 U2#8.17 U2#8.18 U2#9.17 U2#9.18 U2#10.17 U2#10.18 U2#11.17 U2#11.18 U2#12.17 U2#12.18 U2#13.17 U2#13.18 U2#14.17 U2#14.18 U2#15.17 U2#15.18 U3.2 U3#2.2 U3#3.2 U3#4.2 U3#5.2 U3#6.2 U3#7.2 U3#8.2 U3#9.2 U3#10.2 U3#11.2 U3#12.2 U3#13.2 U3#14.2 U3#15.2
VCC: C1.2 C1#2.2 C1#3.2 C1#4.2 C1#5.2 C1#6.2 C1#7.2 C1#8.2 C1#9.2 C1#10.2 C1#11.2 C1#12.2 C1#13.2 C1#14.2 C1#15.2 K2.1 K2#2.1 K2#3.1 K2#4.1 K2#5.1 K2#6.1 K2#7.1 K2#8.1 K2#9.1 K2#10.1 K2#11.1 K2#12.1 K2#13.1 K2#14.1 K2#15.1 K4.A4 K4.A9 K4.B4 K4.B9 K4#2.A4 K4#2.A9 K4#2.B4 K4#2.B9 K4#3.A4 K4#3.A9 K4#3.B4 K4#3.B9 K4#4.A4 K4#4.A9 K4#4.B4 K4#4.B9 K4#5.A4 K4#5.A9 K4#5.B4 K4#5.B9 K4#6.A4 K4#6.A9 K4#6.B4 K4#6.B9 K4#7.A4 K4#7.A9 K4#7.B4 K4#7.B9 K4#8.A4 K4#8.A9 K4#8.B4 K4#8.B9 K4#9.A4 K4#9.A9 K4#9.B4 K4#9.B9 K4#10.A4 K4#10.A9 K4#10.B4 K4#10.B9 K4#11.A4 K4#11.A9 K4#11.B4 K4#11.B9 K4#12.A4 K4#12.A9 K4#12.B4 K4#12.B9 K4#13.A4 K4#13.A9 K4#13.B4 K4#13.B9 K4#14.A4 K4#14.A9 K4#14.B4 K4#14.B9 K4#15.A4 K4#15.A9 K4#15.B4 K4#15.B9 U2.1 U2.24 U2#2.1 U2#2.24 U2#3.1 U2#3.24 U2#4.1 U2#4.24 U2#5.1 U2#5.24 U2#6.1 U2#6.24 U2#7.1 U2#7.24 U2#8.1 U2#8.24 U2#9.1 U2#9.24 U2#10.1 U2#10.24 U2#11.1 U2#11.24 U2#12.1 U2#12.24 U2#13.1 U2#13.24 U2#14.1 U2#14.24 U2#15.1 U2#15.24
BAT: C5.2 C5#2.2 C5#3.2 C5#4.2 C5#5.2 C5#6.2 C5#7.2 C5#8.2 C5#9.2 C5#10.2 C5#11.2 C5#12.2 C5#13.2 C5#14.2 C5#15.2 K7.1 K7#2.1 K7#3.1 K7#4.1 K7#5.1 K7#6.1 K7#7.1 K7#8.1 K7#9.1 K7#10.1 K7#11.1 K7#12.1 K7#13.1 K7#14.1 K7#15.1 K8.1 K8#2.1 K8#3.1 K8#4.1 K8#5.1 K8#6.1 K8#7.1 K8#8.1 K8#9.1 K8#10.1 K8#11.1 K8#12.1 K8#13.1 K8#14.1 K8#15.1 U2.13 U2.14 U2#2.13 U2#2.14 U2#3.13 U2#3.14 U2#4.13 U2#4.14 U2#5.13 U2#5.14 U2#6.13 U2#6.14 U2#7.13 U2#7.14 U2#8.13 U2#8.14 U2#9.13 U2#9.14 U2#10.13 U2#10.14 U2#11.13 U2#11.14 U2#12.13 U2#12.14 U2#13.13 U2#13.14 U2#14.13 U2#14.14 U2#15.13 U2#15.14
BTST: C4.1 C4#2.1 C4#3.1 C4#4.1 C4#5.1 C4#6.1 C4#7.1 C4#8.1 C4#9.1 C4#10.1 C4#11.1 C4#12.1 C4#13.1 C4#14.1 C4#15.1 U2.21 U2#2.21 U2#3.21 U2#4.21 U2#5.21 U2#6.21 U2#7.21 U2#8.21 U2#9.21 U2#10.21 U2#11.21 U2#12.21 U2#13.21 U2#14.21 U2#15.21
D+: K4.A6 K4.B6 K4#2.A6 K4#2.B6 K4#3.A6 K4#3.B6 K4#4.A6 K4#4.B6 K4#5.A6 K4#5.B6 K4#6.A6 K4#6.B6 K4#7.A6 K4#7.B6 K4#8.A6 K4#8.B6 K4#9.A6 K4#9.B6 K4#10.A6 K4#10.B6 K4#11.A6 K4#11.B6 K4#12.A6 K4#12.B6 K4#13.A6 K4#13.B6 K4#14.A6 K4#14.B6 K4#15.A6 K4#15.B6 U2.2 U2#2.2 U2#3.2 U2#4.2 U2#5.2 U2#6.2 U2#7.2 U2#8.2 U2#9.2 U2#10.2 U2#11.2 U2#12.2 U2#13.2 U2#14.2 U2#15.2
D-: K4.A7 K4.B7 K4#2.A7 K4#2.B7 K4#3.A7 K4#3.B7 K4#4.A7 K4#4.B7 K4#5.A7 K4#5.B7 K4#6.A7 K4#6.B7 K4#7.A7 K4#7.B7 K4#8.A7 K4#8.B7 K4#9.A7 K4#9.B7 K4#10.A7 K4#10.B7 K4#11.A7 K4#11.B7 K4#12.A7 K4#12.B7 K4#13.A7 K4#13.B7 K4#14.A7 K4#14.B7 K4#15.A7 K4#15.B7 U2.3 U2#2.3 U2#3.3 U2#4.3 U2#5.3 U2#6.3 U2#7.3 U2#8.3 U2#9.3 U2#10.3 U2#11.3 U2#12.3 U2#13.3 U2#14.3 U2#15.3
ILIM: JP4.2 JP4#2.2 JP4#3.2 JP4#4.2 JP4#5.2 JP4#6.2 JP4#7.2 JP4#8.2 JP4#9.2 JP4#10.2 JP4#11.2 JP4#12.2 JP4#13.2 JP4#14.2 JP4#15.2 JP5.2 JP5#2.2 JP5#3.2 JP5#4.2 JP5#5.2 JP5#6.2 JP5#7.2 JP5#8.2 JP5#9.2 JP5#10.2 JP5#11.2 JP5#12.2 JP5#13.2 JP5#14.2 JP5#15.2 U2.10 U2#2.10 U2#3.10 U2#4.10 U2#5.10 U2#6.10 U2#7.10 U2#8.10 U2#9.10 U2#10.10 U2#11.10 U2#12.10 U2#13.10 U2#14.10 U2#15.10
INT: K10.2 K10#2.2 K10#3.2 K10#4.2 K10#5.2 K10#6.2 K10#7.2 K10#8.2 K10#9.2 K10#10.2 K10#11.2 K10#12.2 K10#13.2 K10#14.2 K10#15.2 R9.2 R9#2.2 R9#3.2 R9#4.2 R9#5.2 R9#6.2 R9#7.2 R9#8.2 R9#9.2 R9#10.2 R9#11.2 R9#12.2 R9#13.2 R9#14.2 R9#15.2 U2.7 U2#2.7 U2#3.7 U2#4.7 U2#5.7 U2#6.7 U2#7.7 U2#8.7 U2#9.7 U2#10.7 U2#11.7 U2#12.7 U2#13.7 U2#14.7 U2#15.7
nCE: K10.1 K10#2.1 K10#3.1 K10#4.1 K10#5.1 K10#6.1 K10#7.1 K10#8.1 K10#9.1 K10#10.1 K10#11.1 K10#12.1 K10#13.1 K10#14.1 K10#15.1 R8.1 R8#2.1 R8#3.1 R8#4.1 R8#5.1 R8#6.1 R8#7.1 R8#8.1 R8#9.1 R8#10.1 R8#11.1 R8#12.1 R8#13.1 R8#14.1 R8#15.1 U2.9 U2#2.9 U2#3.9 U2#4.9 U2#5.9 U2#6.9 U2#7.9 U2#8.9 U2#9.9 U2#10.9 U2#11.9 U2#12.9 U2#13.9 U2#14.9 U2#15.9
OTG: R10.2 R10#2.2 R10#3.2 R10#4.2 R10#5.2 R10#6.2 R10#7.2 R10#8.2 R10#9.2 R10#10.2 R10#11.2 R10#12.2 R10#13.2 R10#14.2 R10#15.2 U2.8 U2#2.8 U2#3.8 U2#4.8 U2#5.8 U2#6.8 U2#7.8 U2#8.8 U2#9.8 U2#10.8 U2#11.8 U2#12.8 U2#13.8 U2#14.8 U2#15.8